# Altium PCB K60最小系统.PcbDoc (part 1 of 2)
Units mil, origin at the board's own origin, x right, y up, seen from the top; angles counter-clockwise.
Board outline 1811.08 x 1653.57 mil, 2 copper layers (Top Layer, Bottom Layer); 45 components, 126 nets, 376 pads, 53 vias.
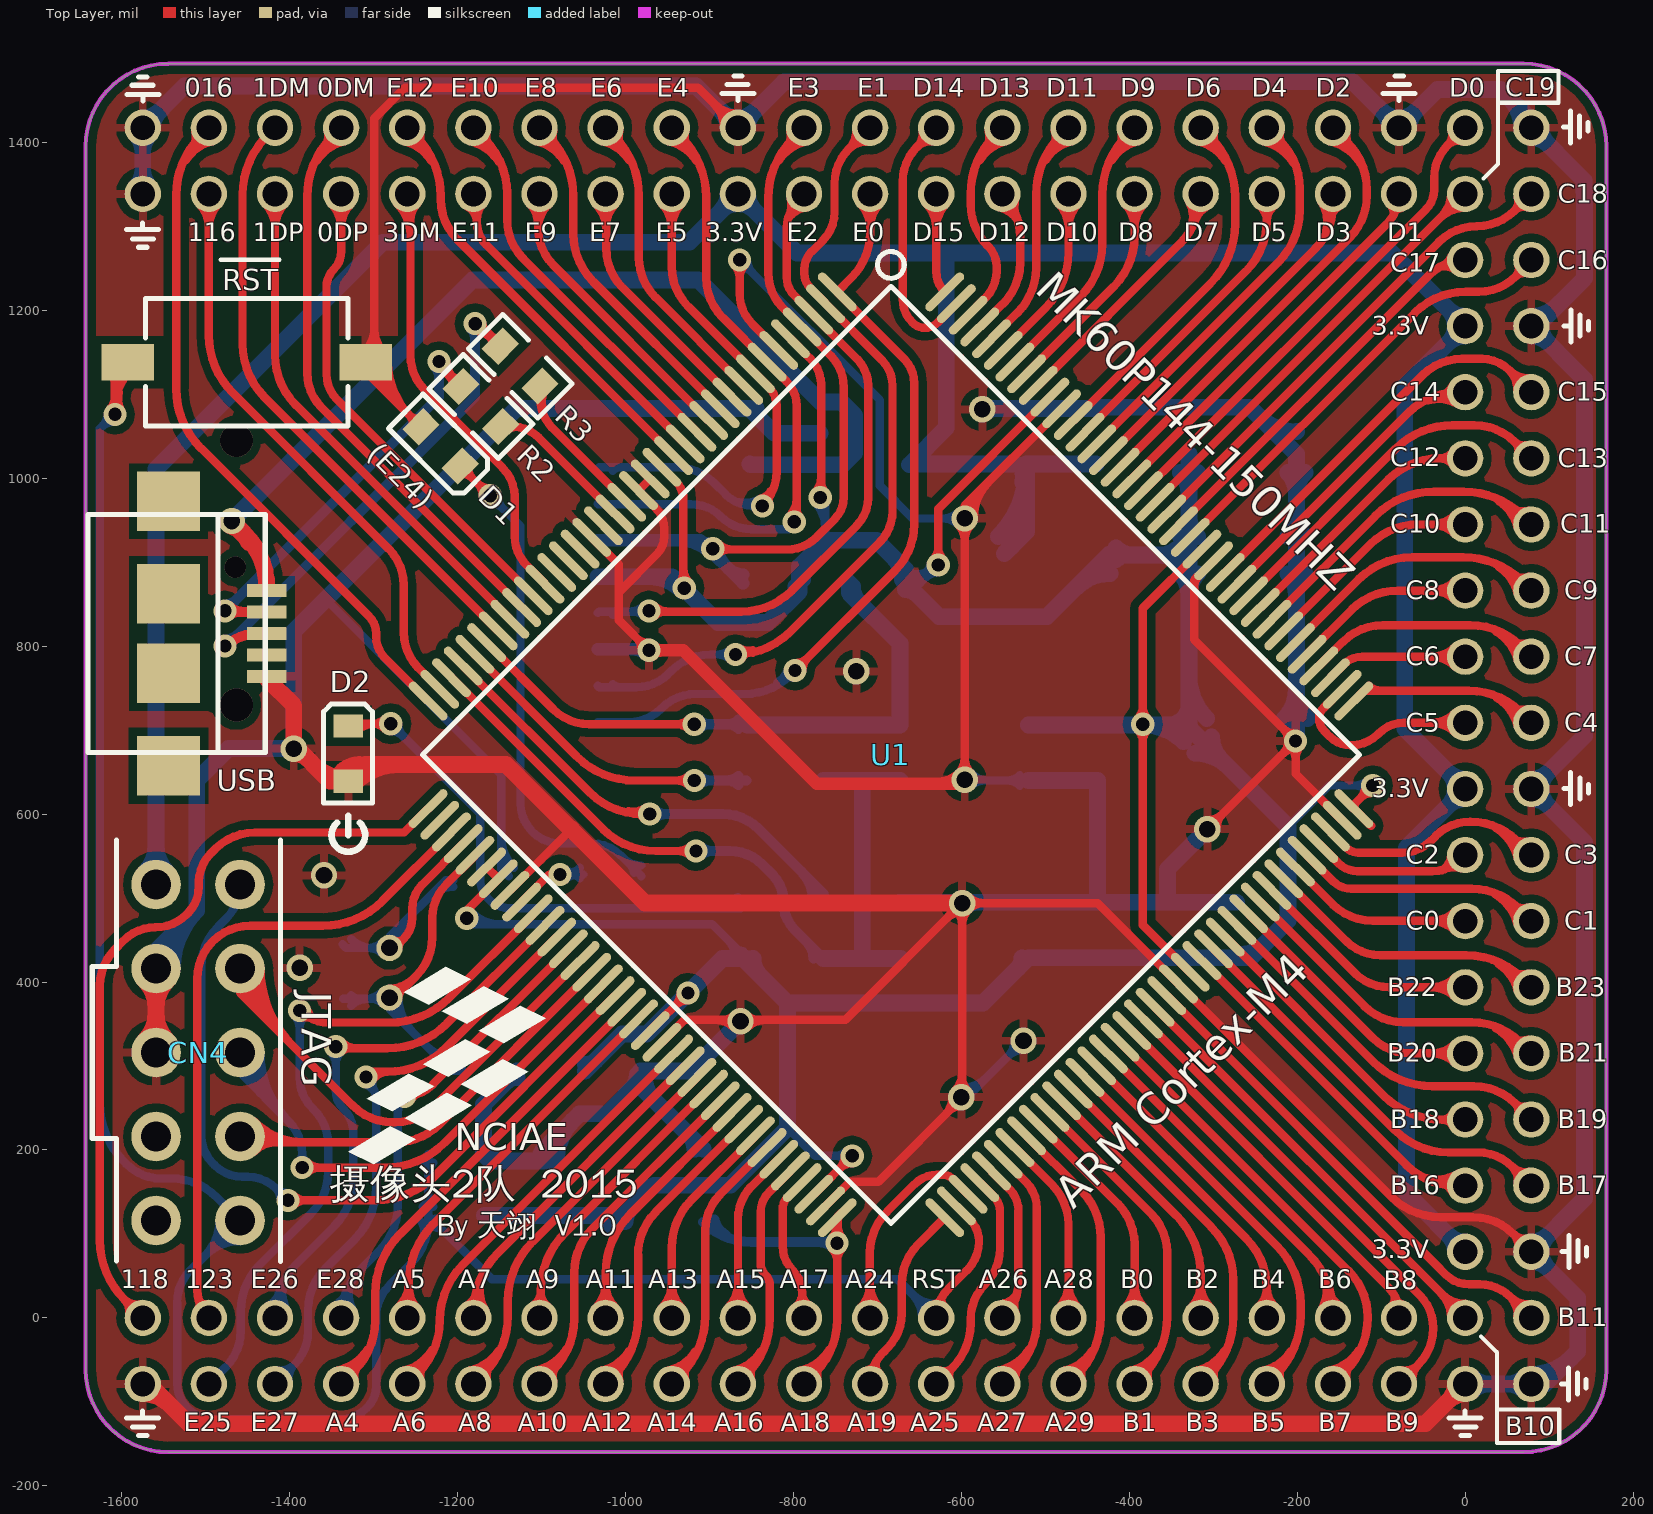
[diagram p0: Top Layer view]
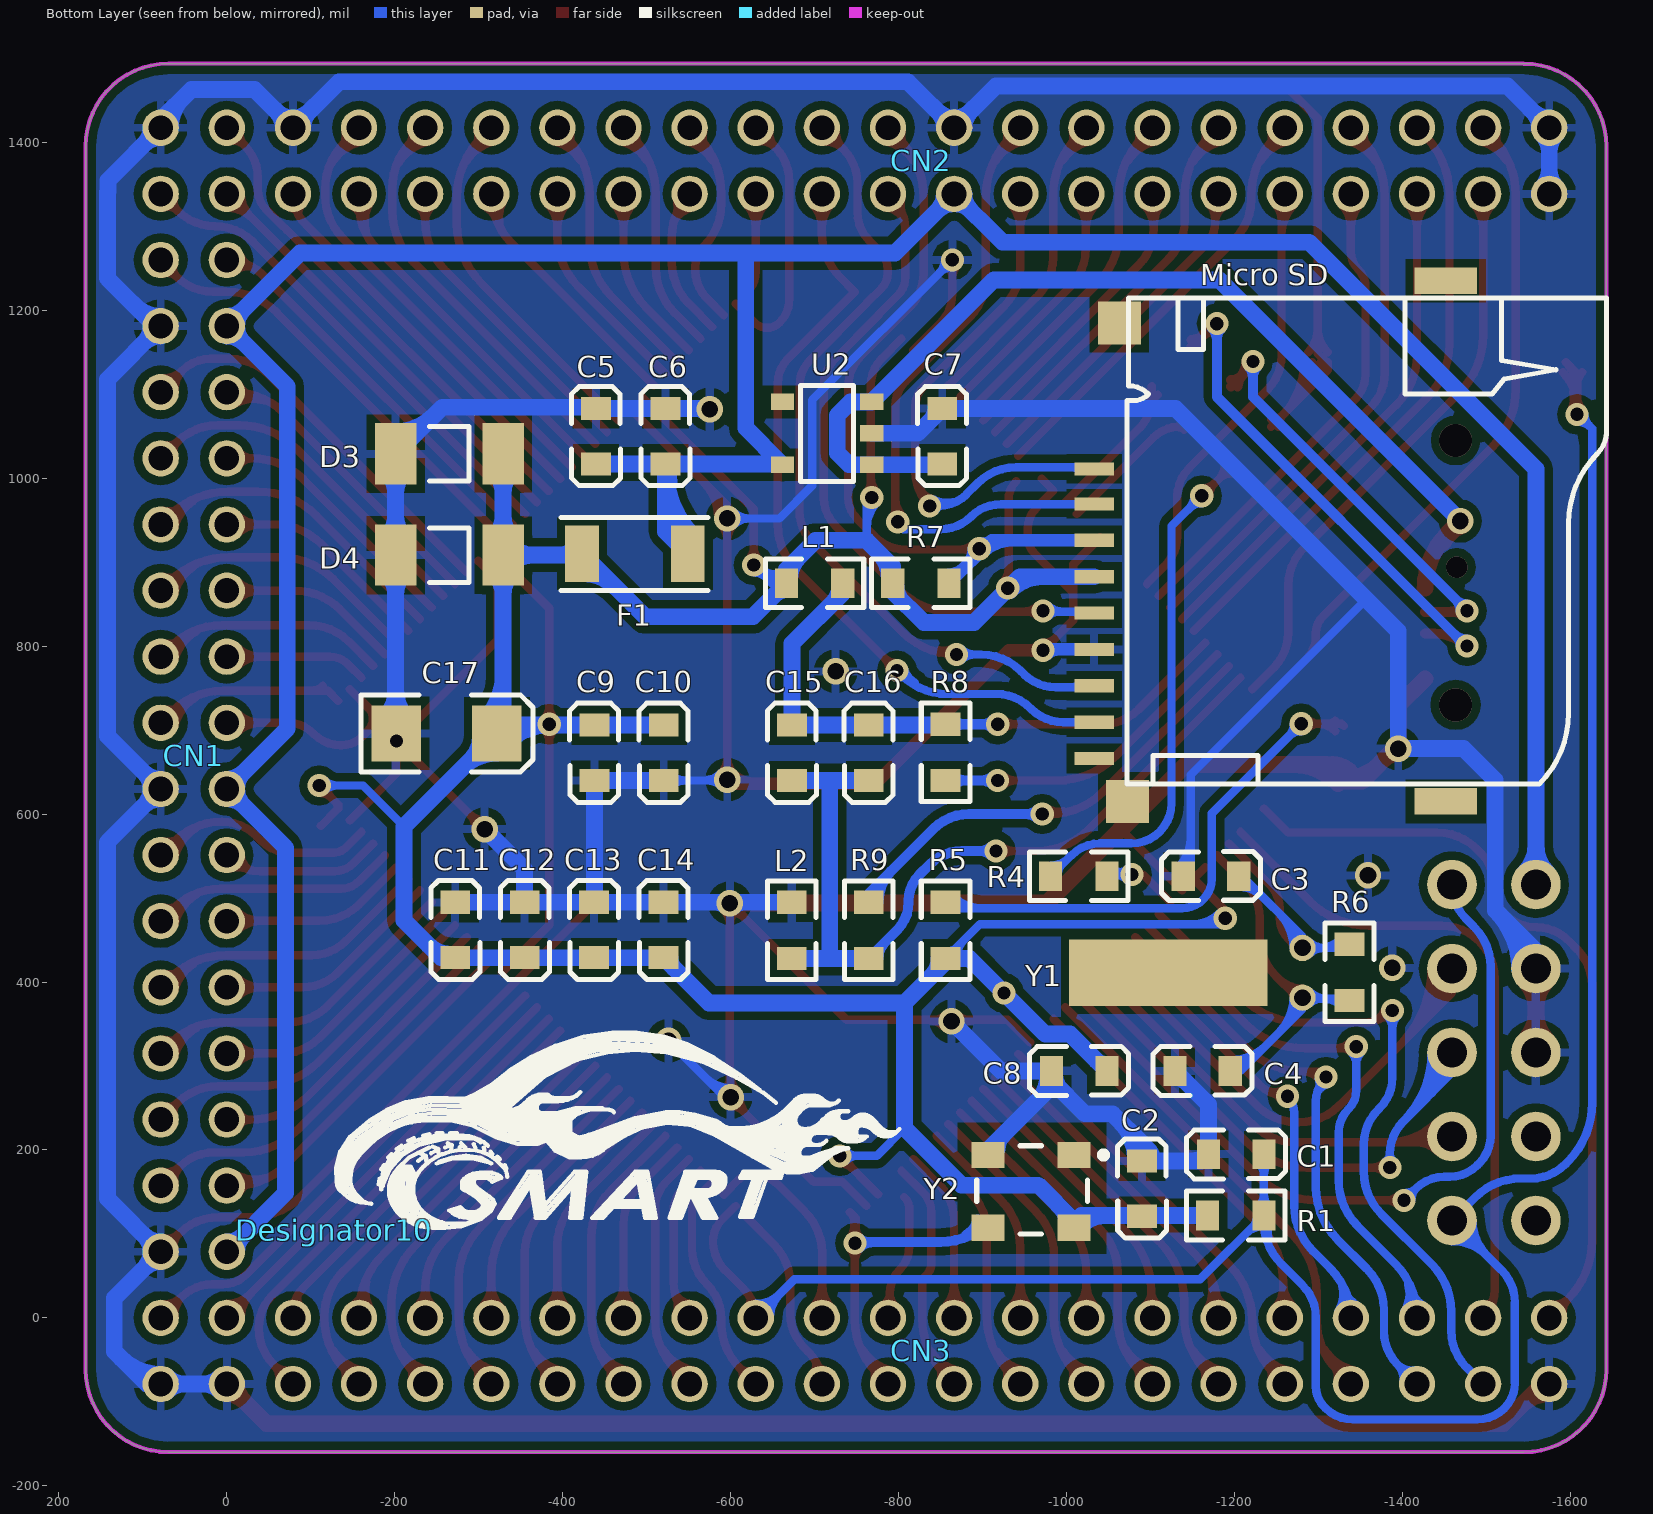
[diagram p1: Bottom Layer view, seen from below]
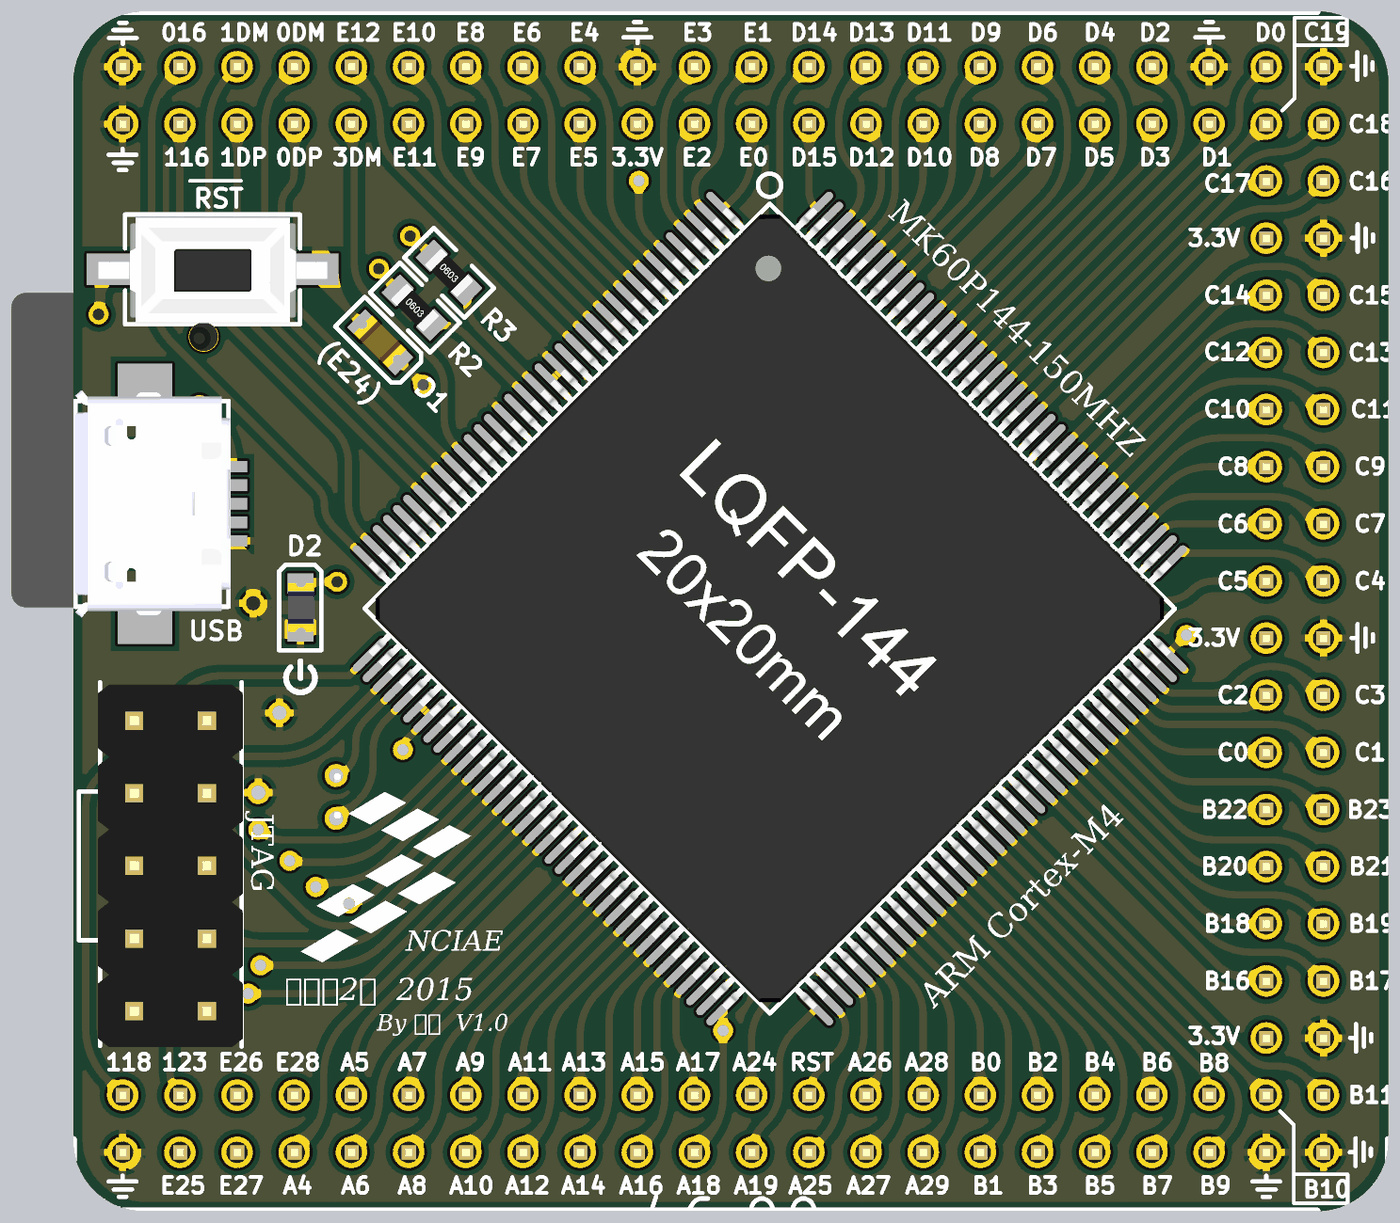
[diagram p3: 3D render of the assembled board from above, using the file's embedded part models]
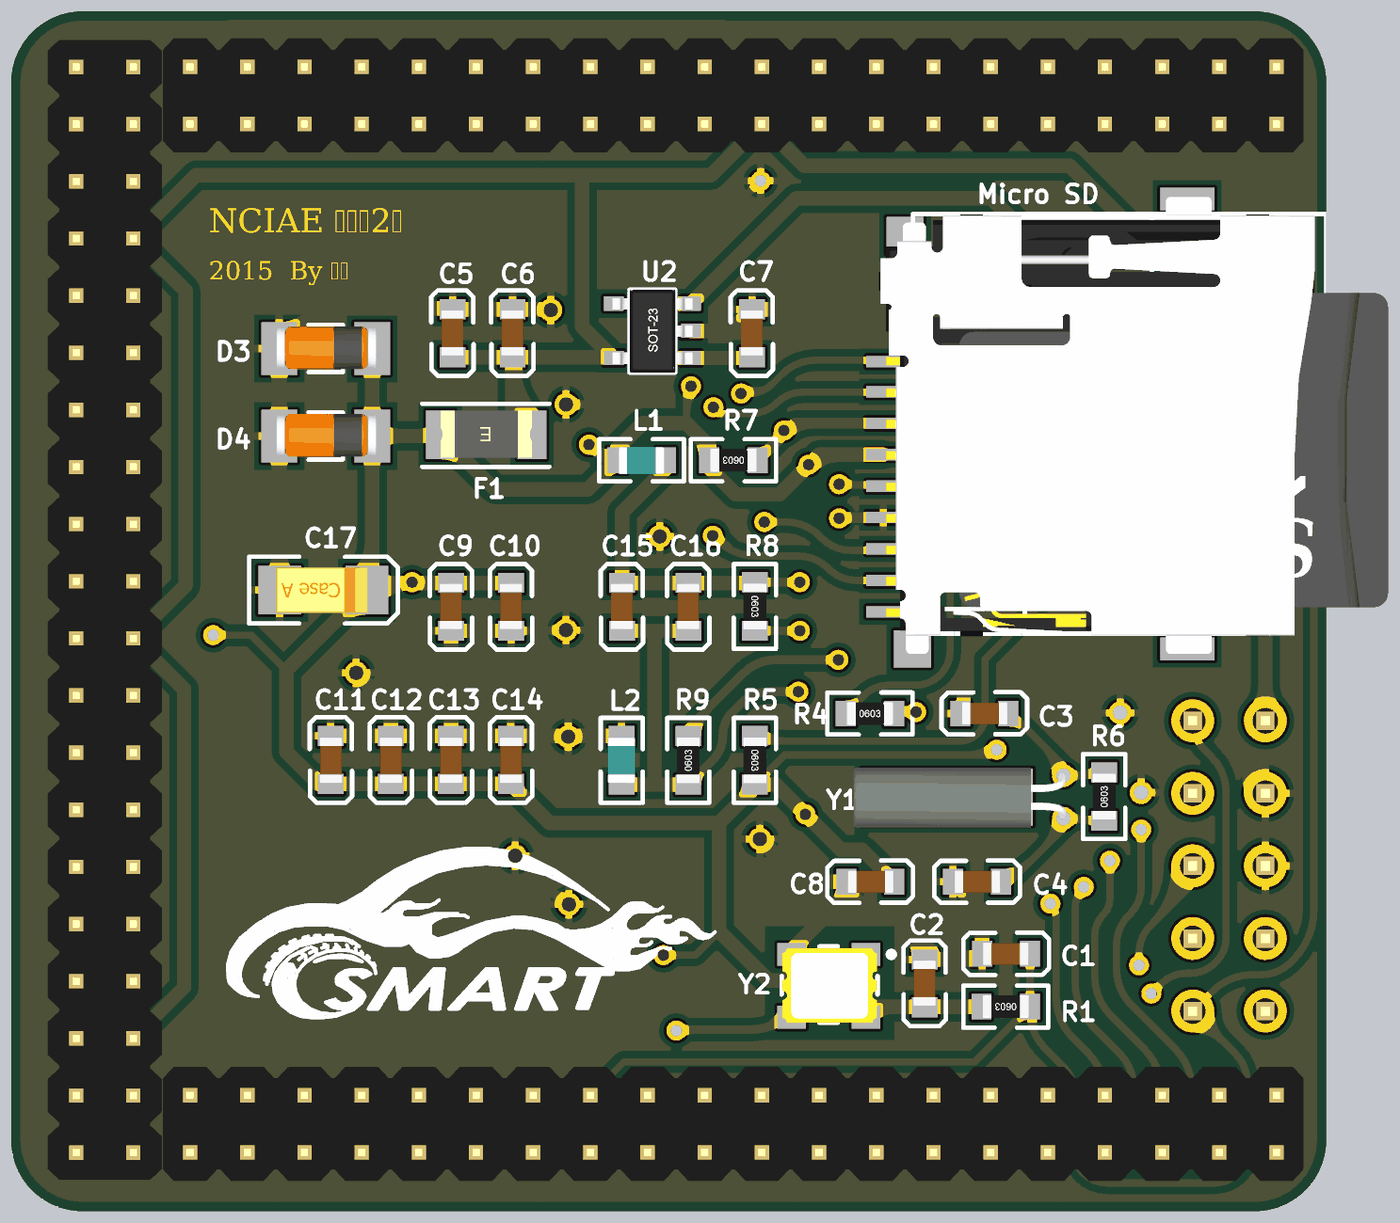
[diagram p4: 3D render of the assembled board from below, using the file's embedded part models]

## Layer stack, top to bottom
Top Layer: signal copper 1.4
Dielectric: dielectric 12.6, FR-4, Dk 4.8
Bottom Layer: signal copper 1.4

## Board outline
-1642.9,-61.45 -1642.9,1395.2 cw(c-1544.48,1395.2) -1544.48,1493.63 -1544.48,1493.68 69.7,1493.68 69.7,1493.7 cw(c69.7,1395.27) 168.12,1395.27 168.12,-61.44 168.17,-61.44 cw(c69.75,-61.44) 69.75,-159.86 -1544.48,-159.86 -1544.48,-159.88 cw(c-1544.48,-61.45)

## Design rules (kind name [scope] priority, off if disabled: settings)
Clearance [All] p1: gap=9
ComponentClearance [All] p1: gap=0 collisioncheckmode=3 verticalgap=0 showdistances=FALSE
FabricationTestPointUsage TestPointUsage [All] p1: valid=0 allowmultiple=FALSE
FabricationTestpoint Testpoint [All] p1: side=3 testpointundercomponent=TRUE minsize=40 maxsize=100 preferedsize=60 minholesize=0 maxholesize=40 preferedholesize=32 testpointgrid=1 allowsidetop=TRUE allowsidebottom=TRUE usegrid=TRUE gridtolerance=0.01
PolygonConnect [All] p1: connectstyle=Relief reliefconductorwidth=10 reliefentries=4 polygonreliefangle="90 Angle" airgapwidth=10
RoutingVias [All] p1: holewidth=28 width=50 viastyle="Through Hole" minholewidth=28 minwidth=50 maxholewidth=28 maxwidth=50
SilkToSolderMaskClearance SilkscreenOverComponentPads [IsPad] p1: minsilkscreentomaskgap=10 clearancetoexposedcopper=TRUE
SolderMaskExpansion [All] p1: expansion=4
Width [InNet('3V3_IN') Or InNet('3V3') Or  InNet('5V_IN') Or InNet('AGND')  Or InNet('GND') Or InNet('VDDA')  Or InNet('VREFH') Or InNet('VREFL')] p1: maxlimit=20 minlimit=10 preferedwidth=15
Width Width_1 [All] p2: maxlimit=15 minlimit=9 preferedwidth=10
24 further rules are at their usual default settings.

## Components (designator, comment, footprint, x,y, rotation, side; value= is the part's Value field where it differs from the comment)
C1 "0.1uF" CAP-0603 -1234.99,195 r0 bottom
C2 "0.1uF" CAP-0603 -1090,121 r90 bottom
C3 "22pF" CAP-0603 -1139.01,526 r180 bottom
C4 "22pF" CAP-0603 -1129.01,294 r180 bottom
C5 "10nF" CAP-0603 -439.71,1017 r90 bottom
C6 "4.7uF" CAP-0603 -522.37,1017 r90 bottom
C7 "0.1uF" CAP-0603 -852,1017 r90 bottom
C8 "0.1uF" CAP-0603 -982,294 r180 bottom
C9 "0.1uF" CAP-0603 -437.71,640 r90 bottom
C10 "0.1uF" CAP-0603 -520.37,640 r90 bottom
C11 "0.1uF" CAP-0603 -272,495 r270 bottom
C12 "0.1uF" CAP-0603 -354.67,495 r270 bottom
C13 "0.1uF" CAP-0603 -437.33,495 r270 bottom
C14 "0.1uF" CAP-0603 -520,495 r270 bottom
C15 "0.01uF" CAP-0603 -673,640 r90 bottom
C16 "0.1uF" CAP-0603 -764.5,640 r90 bottom
C17 "10uF" CASE-A_3216-18 -321.61,696 r0 bottom
CN1 "CON-20X2" Pin-Header-2.00-Double-40 78.74,1417.32 r180 bottom locked
CN2 "CON-20X2" Pin-Header-2.00-Double-40 -1574.8,1417.32 r270 bottom locked
CN3 "CON-20X2" Pin-Header-2.00-Double-40 -1574.8,0 r270 bottom locked
CN4 "JTAG" Pin-Header-2.54-Double-10 -1559,516 r0 top
D1 "LED" LED-RED-0603 -1196,1014 r315 top
D2 "LED" LED-BLU-0603 -1330,705 r90 top
D3 "4733" Diode-SMD-1206 -328,1030 r0 bottom
D4 "4733" Diode-SMD-1206 -328,909.42 r0 bottom
Designator10 "Comment" smart -128,105 r0 bottom
F1 "500mA" Fuse-1206 -549,910 r0 bottom
L1 "100OHM@100MHZ" "Chip Inductor-0603_160808" -669,875 r180 bottom
L2 "100OHM@100MHZ" "Chip Inductor-0603_160808" -672.64,492.51 r270 bottom
"Micro SD" "SD" Micro-SD -1050,925 r90 bottom
R1 "10K" RES-0603 -1235,122 r0 bottom
R2 "22R" RES-0603 -1196,1109 r315 top
R3 "22R" RES-0603 -1149,1157 r315 top
R4 "1K" RES-0603 -981,526 r180 bottom
R5 "1K" RES-0603 -855.99,495.01 r270 bottom
R6 "1M" RES-0603 -1337,378 r90 bottom
R7 "10K" RES-0603 -860,875 r0 bottom
R8 "0R" RES-0603 -855.99,707 r270 bottom
R9 "0R" RES-0603 -764.32,428 r90 bottom
RST "Key" SW-PB-2 -1451,1138 r180 top (schematic designator RESET1)
U1 "MK60FX512VLQ15" LQFP-144-20x20mm -683.8,670.58 r315 top locked
U2 "ME6211-3.3" SOT-23-5 -768,1016 r0 bottom
USB "Mini-USB-A" Mini-USB(a)-SMD -1430,815 r270 top (schematic designator "Mini USB")
Y1 "32.768k" XTAL-XYL-SMD -1281,411 r270 bottom
Y2 "50MHZ/3.3V" XTAL-OSC-3225 -1009,194 r0 bottom

## Footprints (in the part's own frame and the unit in brackets; to place one, negate y for a bottom-side part, rotate by r counter-clockwise, add the part's x,y. Pads: shape width x height; smd on the part's side, far side on the other; paste and mask are expansions set on the pad)
CAP-0603 [mm]
  rect 0.7x0.9 smd: 1(0,0) 2(1.676,0)
  silkscreen extent -0.66,-0.74 2.34,0.75, body extent 0.05,-0.4 1.65,0.4, height 0.6
CASE-A_3216-18 [mil]
  rect 59x67 smd: A(0,0) K(120,0)
  silkscreen extent -43,-46 162,46, body extent -1,-31 125,32, height 63
"Chip Inductor-0603_160808" [mm]
  rect 0.7x0.9 smd: 1(-0.064,0) 2(1.638,0)
  silkscreen extent -0.7,-0.74 2.27,0.74, body extent -0.01,-0.48 1.59,0.47, height 0.8
Diode-SMD-1206 [mm]
  rect 1.25x1.85 smd: A(3.225,0.025) K(-0.025,0.025)
  silkscreen extent 1,-0.8 2.2,0.85, body extent -0.18,-0.75 3.32,0.75, height 1.49
Fuse-1206 [mil]
  rect 40x67 smd: 1(0,0) 2(126,0)
  silkscreen extent -24,-43 151,44, body extent 0,-34 126,32, height 22
LED-BLU-0603 [mm]
  rect 0.7x0.9 smd: A(0,0) K(-1.676,0)
  silkscreen extent -2.34,-0.73 0.66,0.75, body extent -1.69,-0.47 0.01,0.43, height 0.9
LED-RED-0603 [mm]
  rect 0.7x0.9 smd: A(-0.024,-0.007) K(-1.7,-0.007)
  silkscreen extent -2.36,-0.73 0.64,0.74, body extent -1.73,-0.45 -0.03,0.45, height 0.9
LQFP-144-20x20mm [mm]
  oval 1.55x0.27 smd: 1(-11.05,8.75) 2(-11.05,8.25) 3(-11.05,7.75) 4(-11.05,7.25) 5(-11.05,6.75) 6(-11.05,6.25) 7(-11.05,5.75) 8(-11.05,5.25) 9(-11.05,4.75) 10(-11.05,4.25) 11(-11.05,3.75) 12(-11.05,3.25) 13(-11.05,2.75) 14(-11.05,2.25) 15(-11.05,1.75) 16(-11.05,1.25) 17(-11.05,0.75) 18(-11.05,0.25) 19(-11.05,-0.25) 20(-11.05,-0.75) 21(-11.05,-1.25) 22(-11.05,-1.75) 23(-11.05,-2.25) 24(-11.05,-2.75) 25(-11.05,-3.25) 26(-11.05,-3.75) 27(-11.05,-4.25) 28(-11.05,-4.75) 29(-11.05,-5.25) 30(-11.05,-5.75) 31(-11.05,-6.25) 32(-11.05,-6.75) 33(-11.05,-7.25) 34(-11.05,-7.75) 35(-11.05,-8.25) 36(-11.05,-8.75) 73(11.05,-8.75) 74(11.05,-8.25) 75(11.05,-7.75) 76(11.05,-7.25) 77(11.05,-6.75) 78(11.05,-6.25) 79(11.05,-5.75) 80(11.05,-5.25) 81(11.05,-4.75) 82(11.05,-4.25) 83(11.05,-3.75) 84(11.05,-3.25) 85(11.05,-2.75) 86(11.05,-2.25) 87(11.05,-1.75) 88(11.05,-1.25) 89(11.05,-0.75) 90(11.05,-0.25) 91(11.05,0.25) 92(11.05,0.75) 93(11.05,1.25) 94(11.05,1.75) 95(11.05,2.25) 96(11.05,2.75) 97(11.05,3.25) 98(11.05,3.75) 99(11.05,4.25) 100(11.05,4.75) 101(11.05,5.25) 102(11.05,5.75) 103(11.05,6.25) 104(11.05,6.75) 105(11.05,7.25) 106(11.05,7.75) 107(11.05,8.25) 108(11.05,8.75)
  oval 0.27x1.55 smd: 37(-8.75,-11.05) 38(-8.25,-11.05) 39(-7.75,-11.05) 40(-7.25,-11.05) 41(-6.75,-11.05) 42(-6.25,-11.05) 43(-5.75,-11.05) 44(-5.25,-11.05) 45(-4.75,-11.05) 46(-4.25,-11.05) 47(-3.75,-11.05) 48(-3.25,-11.05) 49(-2.75,-11.05) 50(-2.25,-11.05) 51(-1.75,-11.05) 52(-1.25,-11.05) 53(-0.75,-11.05) 54(-0.25,-11.05) 55(0.25,-11.05) 56(0.75,-11.05) 57(1.25,-11.05) 58(1.75,-11.05) 59(2.25,-11.05) 60(2.75,-11.05) 61(3.25,-11.05) 62(3.75,-11.05) 63(4.25,-11.05) 64(4.75,-11.05) 65(5.25,-11.05) 66(5.75,-11.05) 67(6.25,-11.05) 68(6.75,-11.05) 69(7.25,-11.05) 70(7.75,-11.05) 71(8.25,-11.05) 72(8.75,-11.05) 109(8.75,11.05) 110(8.25,11.05) 111(7.75,11.05) 112(7.25,11.05) 113(6.75,11.05) 114(6.25,11.05) 115(5.75,11.05) 116(5.25,11.05) 117(4.75,11.05) 118(4.25,11.05) 119(3.75,11.05) 120(3.25,11.05) 121(2.75,11.05) 122(2.25,11.05) 123(1.75,11.05) 124(1.25,11.05) 125(0.75,11.05) 126(0.25,11.05) 127(-0.25,11.05) 128(-0.75,11.05) 129(-1.25,11.05) 130(-1.75,11.05) 131(-2.25,11.05) 132(-2.75,11.05) 133(-3.25,11.05) 134(-3.75,11.05) 135(-4.25,11.05) 136(-4.75,11.05) 137(-5.25,11.05) 138(-5.75,11.05) 139(-6.25,11.05) 140(-6.75,11.05) 141(-7.25,11.05) 142(-7.75,11.05) 143(-8.25,11.05) 144(-8.75,11.05)
  silkscreen extent -10.89,-10.02 10.02,10.88, body extent -11,-11 11,11, height 1.63
Micro-SD [mm]
  rect 0.8x1.9 smd: 0(-7.874,-10.2) 0(7.874,-10.2)
  rect 1.3x1.3 smd: 0(-7.874,-0.581) 0(6.604,-0.327)
  rect 0.4x1.2 smd: 1(2.184,0.432) 2(1.125,0.432) 3(0.025,0.432) 4(-1.075,0.432) 5(-2.175,0.432) 6(-3.275,0.432) 7(-4.375,0.432) 8(-5.475,0.432) 9(-6.575,0.432)
  silkscreen extent -7.35,-15.06 7.35,-0.56, body extent -8.05,-17.22 7.95,0.6, height 1.95
Mini-USB(a)-SMD [mm]
  rect 1.8x1.9 smd: 0(-4,-2.902) 0(-1.2,-2.902) 0(1.2,-2.902) 0(4,-2.902)
  rect 0.4x1.2 smd: 1(-1.3,0.075) 2(-0.65,0.075) 3(0,0.075) 4(0.65,0.075) 5(1.3,0.075)
  silkscreen extent -3.6,-5.33 3.6,0.03, body extent -3.99,-5.35 3.99,0.08, height 2.7
Pin-Header-2.00-Double-40 [mm]
  round 1.1 hole 0.75: 1(0,0) 2(2,0) 3(0,-2) 4(2,-2) 5(0,-4) 6(2,-4) 7(0,-6) 8(2,-6) 9(0,-8) 10(2,-8) 11(0,-10) 12(2,-10) 13(0,-12) 14(2,-12) 15(0,-14) 16(2,-14) 17(0,-16) 18(2,-16) 19(0,-18) 20(2,-18) 21(0,-20) 22(2,-20) 23(0,-22) 24(2,-22) 25(0,-24) 26(2,-24) 27(0,-26) 28(2,-26) 29(0,-28) 30(2,-28) 31(0,-30) 32(2,-30) 33(0,-32) 34(2,-32) 35(0,-34) 36(2,-34) 37(0,-36) 38(2,-36) 39(0,-38) 40(2,-38)
  body extent -1,-38.96 3,0.94, height 6.1
Pin-Header-2.54-Double-10 [mm]
  round 1.5 hole 0.9: 1(0,0) 2(2.54,0) 3(0,-2.54) 4(2.54,-2.54) 5(0,-5.08) 6(2.54,-5.08) 7(0,-7.62) 8(2.54,-7.62) 9(0,-10.16) 10(2.54,-10.16)
  silkscreen extent -1.93,-11.4 3.76,1.35, body extent -1.27,-11.43 3.81,1.27, height 8.6
RES-0603 [mm]
  rect 0.7x0.9 smd: 1(0,0) 2(1.702,0)
  silkscreen extent -0.64,-0.74 2.34,0.74, body extent 0.05,-0.4 1.65,0.4, height 0.47
smart [mil]
  silkscreen extent -673,-235 -2,-2
SOT-23-5 [mm]
  rect 0.7x0.5 smd: 1(0,0) 2(0,-0.95) 3(0,-1.9) 4(2.7,-1.9) 5(2.7,0)
  silkscreen extent 0.55,-2.39 2.15,0.51, body extent -0.06,-2.39 2.74,0.51, height 1.45
SW-PB-2 [mm]
  rect 1.6x1.1 smd: 1(-3.6,0) 2(3.6,0)
  silkscreen extent -3.06,-1.92 3.06,1.92, body extent -4.01,-1.82 3.99,1.88, height 2.5
XTAL-OSC-3225 [mm]
  rect 1x0.8 smd: 1(0,0) 2(2.6,0) 3(2.6,2.2) 4(0,2.2)
  silkscreen extent -0.99,-0.28 2.95,2.39, body extent -0.38,-0.21 2.92,2.39, height 1.1
XTAL-XYL-SMD [mm]
  rect 2x6 smd: 0(0,-4.064)
  round 0.8 hole 0.5: 1(-0.75,0) 3(0.75,0)
  body extent -1.03,-8.33 1.07,0.76, height 5.17

## Part data
C1 C2 C3 C4 C5 C6 C7 C8 C9 C10 C11 C12 C13 C14 C15 C16: library part Cap
C17: library part Cap-Pol_1
CN4: library part CON-5X2
D3 D4: library part Diode-Schottky
F1: library part Fuse
L1 L2: library part Inductor
"Micro SD": library part Micro-SD
R1 R2 R3 R4 R5 R6 R7 R8 R9: library part Res
RST: library part Key-PB-2
U1: library part K60-144P
U2: library part LDO
Y1: library part XTAL
Y2: library part XTAL-OSC

## Via types
v1: diameter 27.56, hole 15.75, Top Layer to Bottom Layer, 36 vias
v2: diameter 31.5, hole 19.68, Top Layer to Bottom Layer, 13 vias
v3: diameter 25.59, hole 25.59, Top Layer to Bottom Layer, 2 vias
v4: diameter 39.37, hole 39.37, Top Layer to Bottom Layer, 2 vias

## Nets (pads, with @x,y where several pads share a name; then routed paths per layer and width w, separated by ;. In a path a pad name is that pad's centre, name@x,y a point inside that pad or via, vN(x,y) a via of type N, cw(c..) or ccw(c..) an arc to the next point about the centre after c; other vN are vias at no path point)
3V3: "Micro SD.4" C2.1 C8.2 C9.2 C10.2 C11.2 C12.2 C13.2 C14.2 C17.A D3.K D4.K F1.2 L1.1 R1.2 R5.2 R7.2 U1.5 U1.16 U1.42 U1.43 U1.56 U1.70 U1.94 U1.108 U1.122 U1.135 Y2.4 | length 6735
  Top Layer w10: v1(-1189,476) -1189,485.01 -1151.49,522.51 U1.43@-1151.49,523.04 U1.42@-1165.41,536.95 ; U1.56@-970.54,342.08 v1(-925.63,387) ; U1.16@-939.98,996.36 cw(c-961.73,974.65) -931,974.65 v1@-931,867 ; v1@-936.21,875.21 ccw(c-948.78,887.78) -931,887.78 ; v1@-934.4,387 cw(c-955.6,387) -940.61,372.01 cw(c-925.63,357.02) v1@-925.63,378.22 ; -931,892.61 ccw(c-906.39,892.61) v1@-923.79,875.21 ; U1.5@-803.51,1166.11 -780,1142.6 cw(c-811.38,1111.22) -767,1111.22 v1@-767,977 ; U1.70@-775.67,147.21 -730,192.88 v1(-730,193) ; v1@-774.21,983.21 ccw(c-791.61,1000.61) -767,1000.61 ; -767,995.78 ccw(c-749.22,995.78) v1@-761.79,983.21 ; -745.07,177.81 ccw(c-760.26,193) v1@-738.78,193 ; -744.78,178.1 cw(c-730,163.31) v1@-730,184.22 ; v1@-633.71,902.71 ccw(c-648.7,917.7) -627.5,917.7 ccw(c-606.3,917.7) v1@-621.29,902.71 ; v1(-627.5,896.5) -627.5,963.51 U1.135@-494.5,1096.52 ; v1@-390.21,700.79 cw(c-405.2,685.8) -384,685.8 cw(c-362.8,685.8) v1@-377.79,700.79 ; v1@-390.21,713.21 ccw(c-405.2,728.2) -384,728.2 ccw(c-362.8,728.2) v1@-377.79,713.21 ; U1.94@-327.46,411.68 -327.99,411.68 -384,467.69 v1(-384,707) -384,845.11 U1.122@-313.55,915.56 ; U1.108@-132.28,606.55 cw(c-119.8,606.55) -128.62,615.38 ; v1@-118.78,634 cw(c-139.98,634) -124.99,619.01 cw(c-110,604.02) v1@-110,625.22 ; U1.108@-112.04,586 U1.108@-132.59,606.55 -132.59,611.41 v1(-110,634)
  Bottom Layer w10: v1@-1189.86,475.14 ccw(c-1175.05,489.95) -1175.05,469 ; v1(-1189,476) -1182,469 -896.98,469 R5.2@-855.99,428.01 ; v1@-1182.79,482.21 ccw(c-1150.9,514.1) -1150.9,469 ; -877.7,449.72 cw(c-899.41,428.01) R5.2@-868.71,428.01 ; R5.2@-868.19,440.21 ccw(c-859.93,448.48) R5.2@-859.93,436.79 ; -807,226 -774,193 v1(-730,193) ; v1@-774.21,970.79 cw(c-803.68,941.32) -762,941.32 ; v1(-768,977) -762,971 -762,926 ; v1@-736.21,186.79 ccw(c-751.2,171.8) -751.2,193 ccw(c-751.2,214.2) v1@-736.21,199.21 ; L1.1@-669.73,868.18 ccw(c-664.34,886.06) -651.14,872.86 ; L1.1@-666.85,877.76 ccw(c-658.87,904.22) -639.32,884.68 ; L1.1@-666.49,874.99 -649.01,874.99 ; L1.1@-663.96,887.33 ccw(c-653.39,922.39) v1(-627.5,896.5) -649.01,874.99 ; L1.1@-659.45,869.75 cw(c-649.01,861.97) -649.01,874.99 ; L1.1@-659.45,880.23 ccw(c-649.01,888.01) -649.01,874.99 ; L1.1@-652.74,876.93 ccw(c-670.72,908.08) v1@-635.98,898.77 ; v1@-636.28,896.5 cw(c-657.48,896.5) -642.49,881.51 cw(c-627.5,866.52) v1@-627.5,887.72 ; v1@-636.14,898.07 cw(c-651.95,900.94) -643.91,887.02 cw(c-635.88,873.11) v1@-630.46,888.23 ; -211,585.39 -162.39,634 v1(-110,634) ; v1@-116.21,627.79 ccw(c-131.2,612.8) -131.2,634 ccw(c-131.2,655.2) v1@-116.21,640.21
  Bottom Layer w20: R1.2@-1168,122 -1017.61,122 -1010,114.39 -966.39,158 -875,158 -807,226 -807,375 ; C8.2@-1048,294 -1004,338 -974.63,338 v1(-925.63,387) -884.61,428.01 R5.2@-855.99,428.01 -855.99,423.99 -807,375 ; C8.2@-1048,301.72 ccw(c-1048,320.35) C8.2@-1034.83,307.17 ; -1046.2,122 cw(c-1046.2,82.13) Y2.4@-1018,110.32 ; -1033,882.69 -944.69,882.69 -890,828 -830,828 -793,865 R7.2@-793,875 -793,895 -762,926 -700.99,926 -666.49,891.51 L1.1@-666.49,874.99 -626.5,835 -498,835 F1.2@-423,910 -421.42,908.42 D4.K@-329,908.42 ; Y2.4@-1000.31,114.39 cw(c-976.93,114.39) -993.47,130.92 ; -972.18,882.69 cw(c-972.18,826.82) v1@-932.67,866.33 ; R5.2@-848.27,428.01 ccw(c-819.94,428.01) -839.97,407.97 ; -803.74,854.26 ccw(c-820.54,871.06) R7.2@-796.78,871.06 ; R7.2@-789.22,878.94 cw(c-741.32,878.94) -775.19,912.81 ; -681.84,906.85 cw(c-709.76,878.93) L1.1@-670.27,878.93 ; L1.1@-666.49,867.27 cw(c-666.49,848.64) L1.1@-653.32,861.82 ; C14.2@-533.17,415.83 ccw(c-546.35,429) C14.2@-527.72,429 ; C10.2@-520.37,706 C9.2@-437.71,706 -331.61,706 C17.A@-329,703.39 ; -463.12,869.88 cw(c-423,829.77) F1.2@-423,886.5 ; F1.2@-415.93,902.93 cw(c-402.68,889.68) -402.68,908.42 ; F1.2@-415.93,917.07 ccw(c-395.04,937.96) -395.04,908.42 ; v1@-383.17,706 cw(c-383.17,638.44) C17.A@-335.39,686.21 ; -354.2,706 ccw(c-354.2,732.59) -335.39,713.79 ccw(c-350.83,729.23) C17.A@-329,729.23 ; D4.K@-339.33,886.28 cw(c-364.26,861.34) -329,861.34 cw(c-293.74,861.34) D4.K@-318.67,886.28 ; D4.K@-339.33,898.09 ccw(c-364.26,873.15) -364.26,908.42 ccw(c-364.26,943.68) D4.K@-339.33,918.75 ; D4.K@-339.33,930.56 ccw(c-364.26,955.49) -329,955.49 ccw(c-293.74,955.49) D4.K@-318.67,930.56 ; D3.K@-339.33,1006.86 cw(c-364.26,981.93) -329,981.93 cw(c-293.74,981.93) D3.K@-318.67,1006.86 ; -329,764.93 ccw(c-256.68,764.93) C17.A@-307.82,713.79 ; D3.K@-329,1029 D4.K@-329,908.42 ; C17.A@-321.61,672.5 cw(c-321.61,615.77) -281.49,655.88 ; C17.A@-302.11,692 ccw(c-264.69,692) -291.15,665.54 ; C11.2@-268.06,432.78 ccw(c-268.06,473.44) -239.31,444.69 ; -807,375 -574,375 C14.2@-520,429 C13.2@-437.33,429 C12.2@-354.67,429 C11.2@-272,429 -255,429 -211,473 -211,585.39 C17.A@-321.61,696 C17.A@-329,703.39 ; C17.A@-329,703.39 D4.K@-329,908.42